# Altium PCB TTN_Gateway_V2.3.1.PcbDoc (part 2 of 3)
Units mm, origin at the board's own origin, x right, y up, seen from the top; angles counter-clockwise.
Board outline 133 x 122.84 mm, 4 copper layers (Component Side, Signal Layer 1, Signal Layer 3, Solder Side), stack 0.844 mm thick; 331 components, 261 nets, 1123 pads, 1128 vias.
Unrouted connection lines stored in the file: 8.
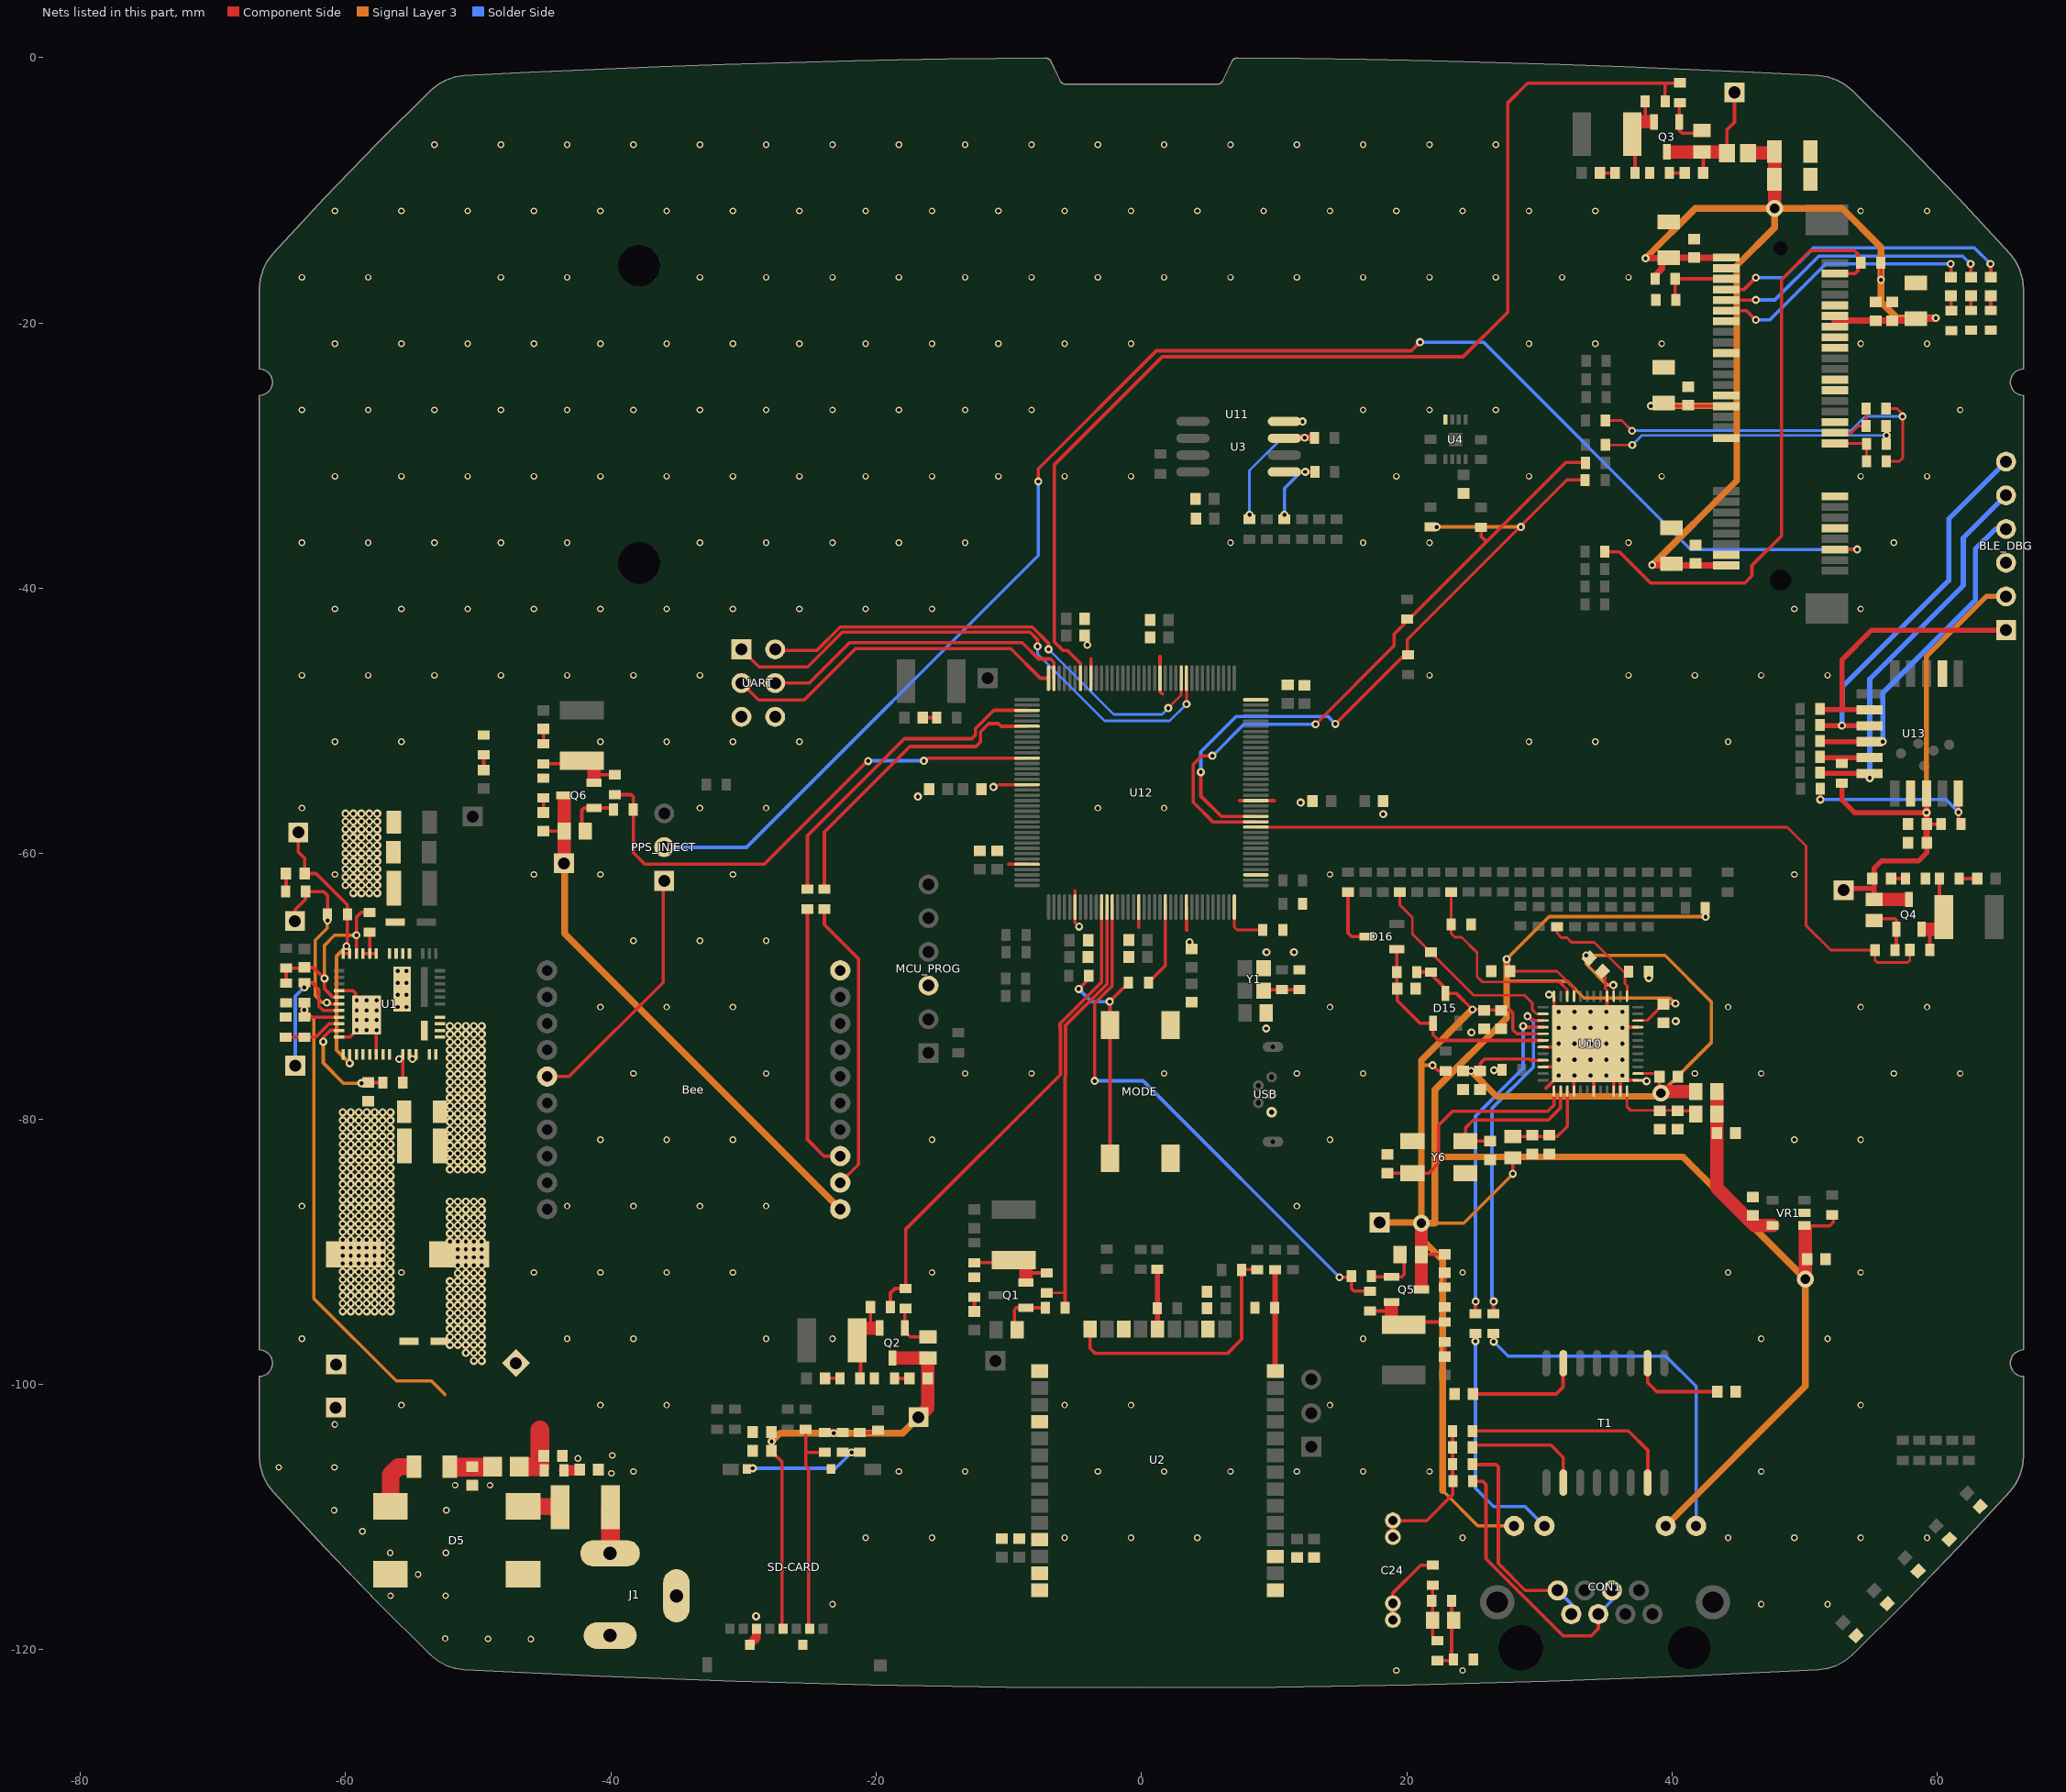
[diagram p4: the nets of this part, all layers, seen from the top]

## Via types
v1: diameter 0.61, hole 0.305, Component Side to Solder Side, tented both sides, 817 vias
v2: diameter 0.5, hole 0.3, Component Side to Solder Side, tented both sides, 272 vias
v3: diameter 0.66, hole 0.33, Component Side to Solder Side, tented top, 25 vias
v4: diameter 1.27, hole 0.711, Component Side to Solder Side, 12 vias
v5: diameter 6.1, hole 3.1, Component Side to Solder Side, 2 vias

## Nets (pads, with @x,y where several pads share a name; then routed paths per layer and width w, separated by ;. In a path a pad name is that pad's centre, name@x,y a point inside that pad or via, vN(x,y) a via of type N, cw(c..) or ccw(c..) an arc to the next point about the centre after c; other vN are vias at no path point) (continued)
BLE_CTS: BLE_DBG.5 R112.1 U13.11 | length 29.3
  Component Side w0.381: R112.1@51.15,-53.9 51.206,-53.956 U13.11@54.884,-53.956
  Solder Side w0.381: v1(54.9,-54.297) 54.9,-46.838 61.95,-39.788 61.95,-36.212 BLE_DBG.5@65.175,-32.987
BLE_RTS: BLE_DBG.4 R111.1 U13.9 | length 24.1
  Component Side w0.2: R111.1@51.15,-51.5 R111.1@51.206,-51.556
  Component Side w0.381: R111.1@51.206,-51.556 U13.9@54.884,-51.556
  Solder Side w0.381: v1(55.875,-51.547) 55.875,-47.897 62.862,-40.91 62.862,-37.035 64.37,-35.527 BLE_DBG.4@65.175,-35.527
BLE_RX: BLE_DBG.1 R107.1 U13.7 | length 20.8
  Component Side w0.2: R107.1@51.15,-49.1 R107.1@51.206,-49.156
  Component Side w0.381: R107.1@51.206,-49.156 52.825,-49.156 ; U13.7@54.884,-49.156 52.825,-49.156 ; BLE_DBG.1@65.175,-43.147 55.05,-43.147 52.825,-45.372 52.825,-49.156
BLE_TX: BLE_DBG.6 R108.1 U13.8 | length 28.8
  Component Side w0.2: R108.1@51.15,-50.3 R108.1@51.206,-50.356
  Component Side w0.381: R108.1@51.206,-50.356 U13.8@54.884,-50.356
  Solder Side w0.381: v1(52.8,-50.347) 52.8,-47.472 60.85,-39.422 60.85,-34.772 BLE_DBG.6@65.175,-30.447
BLE_VCC: BLE_DBG.2 BLE_ON.1 BLE_VCC_TP.1 C22.2 C44.2 C51.2 Q4.1 R40.2 R71.2 U13.14 | length 44.5
  Component Side w0.254: C22.2@55.1,-63.25 55.225,-63.375 C22.2@55.3,-63.45 ; C51.2@59.181,-59.156 C51.2@59.2,-59.174 ; C44.2@59.2,-57.774 R71.2@60.275,-57.775
  Component Side w0.381: 52.825,-55.075 52.825,-55.975 53.75,-56.9 v1@59.181,-56.9 ; BLE_VCC_TP.1@52.925,-62.75 53.05,-62.625 55.225,-62.625 ; C22.2@55.225,-63.45 55.225,-63.375 55.225,-62.625 ; C51.2@59.2,-59.174 59.2,-59.925 58.575,-60.55 55.775,-60.55 55.225,-61.1 55.225,-62.625
  Component Side w0.5: C51.2@59.181,-59.156 59.181,-56.9 U13.14@59.181,-55.466
  Component Side w1: C22.2@55.3,-63.45 57.525,-63.45
  Signal Layer 3 w0.381: v1(59.175,-56.897) 59.175,-45.122 63.69,-40.607 BLE_DBG.2@65.175,-40.607
C_GND: L5.2 R33.2 R45.2 R67.1 | length 5.7
  Component Side w0.254: R45.2@22.325,-120.822 23.425,-120.822 R67.1@23.525,-120.722 23.375,-120.572 R33.2@23.375,-116.322
DBG_RX1: U12.118 UART.1 | length 41.1
  Component Side w0.2: v1(3.4,-48.722) U12.118@3.4,-46.772
  Component Side w0.254: UART.1@-30.15,-44.597 -28.825,-45.922 -25.165,-45.922 -22.544,-43.301 -8.389,-43.301 -7.825,-43.865 v1(-7.825,-44.372)
  Solder Side w0.2: v1(-7.825,-44.372) -7.825,-44.947 -2.775,-49.997 2.125,-49.997 v1(3.4,-48.722)
DBG_RX2: U12.144 UART.3 | length 26.2
  Component Side w0.254: UART.3@-30.15,-47.137 -28.865,-48.422 -25.425,-48.422 -21.55,-44.547 -9.85,-44.547 -7.625,-46.772 U12.144@-7.05,-46.772
DBG_TX1: U12.119 UART.2 | length 36.2
  Component Side w0.2: v1(2.025,-49.022) 3,-48.047 U12.119@3,-46.772
  Component Side w0.254: UART.2@-27.61,-44.597 -27.535,-44.672 -24.451,-44.672 -22.701,-42.922 -8.232,-42.922 -7,-44.154 v1(-7,-44.597) v1@-7,-44.622
  Solder Side w0.2: v1(-7,-44.597) -2.1,-49.497 1.55,-49.497 v1(2.025,-49.022)
DBG_TX2: U12.143 UART.4 | length 24.1
  Component Side w0.254: UART.4@-27.61,-47.137 -25.04,-47.137 -21.996,-44.093 -8.979,-44.093 -7.75,-45.322 -6.85,-45.322 -6.6,-45.572 U12.143@-6.6,-46.772
ETH_VCC: C23.2 C62.2 C64.2 C66.2 C67.2 C70.2 CON1.10 CON1.12 D15.3 ETH_ON.1 Ethernet_VCC_TP.1 L2.1 Q5.1 R55.1 R136.2 R137.2 R138.2 R150.2 U10.22 U10.33 U10.41 VR1.1 | length 202.9
  Component Side w0.2: C64.2@27.525,-68.597 v1(27.525,-67.947) ; C64.2@27.775,-68.847 31.325,-68.847 32.6,-70.122 U10.33@32.6,-70.747 ; 29.675,-73.572 U10.41@30.275,-73.572 ; U10.22@37.425,-72.572 38.125,-72.572 39.4,-71.297 v1(40.25,-71.297)
  Component Side w0.254: R138.2@20.75,-68.922 21.675,-68.922 22.925,-70.172 D15.3@22.925,-70.522 23.725,-70.522 v1(24.95,-71.747) C66.2@26.175,-71.747 ; C23.2@21.1,-90.22 21.125,-90.195 ETH_ON.1@22.85,-90.195 ; v1(21.95,-75.947) 22.375,-76.372 R137.2@22.925,-76.372 ; C66.2@26.175,-71.772 27.775,-71.772 28,-71.997 28,-73.272 28.3,-73.572 29.675,-73.572 ; v1(28,-84.122) L2.1@28,-82.922 ; VR1.1@50.05,-88.277 50.28,-88.047 51.875,-88.047 52.15,-87.772 R136.2@52.15,-87.197
  Component Side w1: Q5.1@21.1,-92.62 C23.2@21.1,-90.22 v4(21.1,-87.847) ; v4(50.05,-92.072) VR1.1@50.05,-88.277
  Signal Layer 3 w0.254: v4@21.05,-87.797 v4(21.1,-87.847) ; 21.1,-75.947 v1(21.95,-75.947) ; 21.125,-80.172 21.125,-79.197 ; 22.125,-87.847 24.3,-87.847 v1@28,-84.147 ; 22.7,-107.997 25.37,-110.667 CON1.12@28.09,-110.667 ; v1@24.925,-71.747 v1(24.95,-71.747) ; 27.525,-69.622 32.1,-69.622 33.35,-70.872 39.825,-70.872 v1(40.25,-71.297) ; v1(27.525,-67.947) 30.725,-64.747 v1(42.525,-64.747)
  Signal Layer 3 w0.5: Ethernet_VCC_TP.1@17.95,-87.797 v4@21.05,-87.797 ; 22.15,-82.847 40.825,-82.847 v4(50.05,-92.072) 50.05,-100.137 CON1.10@39.52,-110.667 ; 22.7,-107.997 22.7,-90.622 21.1,-89.022 v4(21.1,-87.847) ; v1@24.925,-71.747 21.1,-75.572 21.1,-75.947 v4(21.1,-87.847) ; v1(27.525,-67.947) 27.525,-69.622 27.525,-72.397 22.125,-77.797 22.125,-87.847 v4(21.1,-87.847)
ETH_VCC_1.2V: C71.2 C72.2 L3.2 L4.2 VR1.5 | length 12.6
  Component Side w1: L4.2@43.375,-77.922 43.375,-85.197 46.2,-88.022 VR1.5@47.575,-88.022
GND: Bee.10 BLE_DBG.3 C1.1 C3.2 C4.1 C5.1 C6.1 C7.1 C8.1 C9.1 C10.1 C11.1 C12.1 C13.1 C14.1 C15.1 C16.1 C17.1 C18.1 C25.1 C26.1 C27.1 C28.1 C29.1 C30.1 C31.1 C33.1 C34.1 C35.1 C36.1 C37.1 C44.1 C51.1 C52.1 C53.1 C54.1 C55.1 C56.1 C57.1 C58.1 C59.1 C60.1 C61.1 C62.1 C63.1 C64.1 C65.1 C66.1 C67.1 C68.1 C69.1 C70.1 C71.1 C72.1 C73.1 C74.1 C75.1 C76.2 C77.2 C78.2 C79.2 C80.2 C81.2 C82.2 C83.2 C84.2 C85.2 C86.1 C87.1 C88.2 C89.2 C90.2 C91.2 C92.2 C93.2 D3.1 D4.1 D5.2 MCU_PROG.3 MODE.1 R5.2 R8.1 R11.1 R25.1 R26.1 R27.1 R28.1 R34.1 R42.1 R46.1 R56.1 R57.1 R59.1 R61.1 R63.1 R67.2 R70.1 R74.1 R139.1 R163.1 Rfb2.1 SD-CARD.GND STAT1.2 STAT2.2 STAT3.2 STAT4.2 STAT5.2 TP_GND2.1 TP_GND.1 U1.1 U1.6 U1.7 U1.8 U1.45 U1.52 U2.1 U2.3 U2.16 U2.21 U2.24 U2.27 U2.34 U2.36 U2.37 U3.4 U4.4 U10.4 U10.7 U10.10 U10.11 U10.13 U10.21 U10.28 U10.36 U10.43 U10.46 U10.49 U11.4 U11.9 U11.15 U11.18 U11.21 U11.26 U11.27 U11.29 U11.34 U11.35 U11.37 U11.40 U11.43 U11.50 U12.17 U12.32 U12.42 U12.54 U12.63 U12.75 U12.89 U12.108 U12.123 U12.136 U13.2 U13.13 UART.5 UART.6 USB.1 VR1.2 Y1.2 Y6.2 Y6.4 | length 49
  Component Side w0.2: C65.1@34.945,-69.067 34.945,-70.142 35.1,-70.297 U10.28@35.1,-70.747
  Component Side w0.254: U1.52@-60.475,-73.82 -59.67,-73.82 U1.45@-59.225,-73.375 ; U1.45@-60.475,-70.319 -59.43,-70.319 -59.225,-70.524 U1.45@-59.225,-71.175 ; U1.45@-58.402,-72.163 U1.45@-58.402,-71.147 ; U1.6@-57.675,-75.119 U1.45@-57.675,-73.324 ; -10.725,-54.797 U12.17@-8.625,-54.797 ; -10.025,-60.797 U12.32@-8.625,-60.797 ; -5,-65.197 U12.42@-5,-64.022 -5,-62.785 ; U12.136@-3.8,-46.772 -3.8,-45.293 ; -0.2,-65.547 U12.54@-0.2,-64.022 ; 1.4,-45.122 U12.123@1.4,-46.772 1.4,-47.783 1.58,-47.963 ; 3.4,-65.772 U12.63@3.4,-64.022 ; 7.388,-55.997 U12.89@8.625,-55.997 10.025,-55.997 ; U10.46@30.275,-76.072 U10.49@32.1,-76.072 ; U10.43@30.275,-74.572 33.6,-74.572 v3(33.85,-74.322) ; 30.5,-77.672 v3(31.45,-76.722) ; U10.49@31.1,-71.572 U10.36@31.1,-70.747 ; U10.4@32.6,-77.897 32.6,-76.772 v3(32.65,-76.722) ; v3(33.85,-76.722) 34.1,-76.972 U10.7@34.1,-77.897 ; C65.1@34.745,-68.867 C65.1@34.945,-69.067 ; U10.28@35.1,-70.747 35.1,-73.072 v3(35.05,-73.122) v3(33.85,-74.322) ; U10.10@35.6,-77.897 U10.49@35.6,-76.072 ; U10.11@36.1,-77.897 36.1,-76.872 v3(36.25,-76.722) ; U10.49@36.3,-73.072 U10.21@37.425,-73.072 ; U10.13@37.425,-77.072 36.6,-77.072 v3(36.25,-76.722) ; v3(33.85,-74.322) v3(35.05,-75.522) U10.49@35.6,-76.072 ; U10.49@35.6,-76.072 v3(36.25,-76.722)
  Component Side w0.65: -29.037,-119.097 SD-CARD.GND@-29.037,-118.397
  Component Side w0.7: SD-CARD.GND@-29.538,-119.597 -29.037,-119.097
  other v1: -29.05,-117.472 -60.2,-94.497 -59.6,-94.497 -59,-94.497 -58.4,-94.497 -57.8,-94.497 -57.2,-94.497 -56.6,-94.497 -60.2,-93.897 -59.6,-93.897 -59,-93.897 -58.4,-93.897 -57.8,-93.897 -57.2,-93.897 -56.6,-93.897 -60.2,-93.297 -59.6,-93.297 -59,-93.297 -58.4,-93.297 -57.8,-93.297 -57.2,-93.297 -56.6,-93.297 -60.2,-92.697 -59.6,-92.697 -59,-92.697 -58.4,-92.697 -57.8,-92.697 -57.2,-92.697 -56.6,-92.697 -60.2,-92.097 -59.6,-92.097 -59,-92.097 -58.4,-92.097 -57.8,-92.097 -57.2,-92.097 -56.6,-92.097 -60.2,-91.497 -59.6,-91.497 -59,-91.497 -58.4,-91.497 -57.8,-91.497 -57.2,-91.497 -56.6,-91.497 -60.2,-90.897 -59.6,-90.897 -59,-90.897 -58.4,-90.897 -57.8,-90.897 -57.2,-90.897 -56.6,-90.897 -60.2,-90.297 -59.6,-90.297 -59,-90.297 -58.4,-90.297 -57.8,-90.297 -57.2,-90.297 -56.6,-90.297 -60.2,-89.697 -59.6,-89.697 -59,-89.697 -58.4,-89.697 -57.8,-89.697 -57.2,-89.697 -56.6,-89.697 -60.2,-89.097 -59.6,-89.097 -59,-89.097 -58.4,-89.097 -57.8,-89.097 -57.2,-89.097 -56.6,-89.097 -60.2,-88.497 -59.6,-88.497 -59,-88.497 -58.4,-88.497 -57.8,-88.497 -57.2,-88.497 -56.6,-88.497 -60.2,-87.897 -59.6,-87.897 -59,-87.897 -58.4,-87.897 -57.8,-87.897 -57.2,-87.897 -56.6,-87.897 -60.2,-87.297 -59.6,-87.297 -59,-87.297 -58.4,-87.297 -57.8,-87.297 -57.2,-87.297 -56.6,-87.297 -60.2,-86.697 -59.6,-86.697 -59,-86.697 -58.4,-86.697 -57.8,-86.697 -57.2,-86.697 -56.6,-86.697 -60.2,-86.097 -59.6,-86.097 -59,-86.097 -58.4,-86.097 -57.8,-86.097 -57.2,-86.097 -56.6,-86.097 -60.2,-85.497 -59.6,-85.497 -59,-85.497 -58.4,-85.497 -57.8,-85.497 -57.2,-85.497 -56.6,-85.497 -60.2,-84.897 -59.6,-84.897 -59,-84.897 -58.4,-84.897 -57.8,-84.897 -57.2,-84.897 -56.6,-84.897 -60.2,-84.297 -59.6,-84.297 -59,-84.297 -58.4,-84.297 -57.8,-84.297 -57.2,-84.297 -56.6,-84.297 -60.2,-83.697 -59.6,-83.697 -59,-83.697 -58.4,-83.697 -57.8,-83.697 -57.2,-83.697 -56.6,-83.697 -60.2,-83.097 -59.6,-83.097 -59,-83.097 -58.4,-83.097 -57.8,-83.097 -57.2,-83.097 -56.6,-83.097 -60.2,-82.497 -59.6,-82.497 -59,-82.497 -58.4,-82.497 -57.8,-82.497 -57.2,-82.497 -56.6,-82.497 -60.2,-81.897 -59.6,-81.897 -59,-81.897 -58.4,-81.897 -57.8,-81.897 -57.2,-81.897 -56.6,-81.897 -60.2,-81.297 -59.6,-81.297 -59,-81.297 -58.4,-81.297 -57.8,-81.297 -57.2,-81.297 -56.6,-81.297 -60.2,-80.697 -59.6,-80.697 -59,-80.697 -58.4,-80.697 -57.8,-80.697 -57.2,-80.697 -56.6,-80.697 -60.2,-80.097 -59.6,-80.097 -59,-80.097 -58.4,-80.097 -57.8,-80.097 -57.2,-80.097 -56.6,-80.097 -60.2,-79.497 -59.6,-79.497 -59,-79.497 -58.4,-79.497 -57.8,-79.497 -57.2,-79.497 -56.6,-79.497 38.075,-77.147 26.575,-76.322 24.875,-73.472 -59.15,-73.3 -58.4,-73.3 -57.65,-73.3 9.4,-73.175 40.275,-72.622 -59.15,-72.55 -58.4,-72.55 -57.65,-72.55 -59.15,-71.8 -58.4,-71.8 -57.65,-71.8 -59.15,-71.05 -58.4,-71.05 -57.65,-71.05 30.725,-70.622 38.25,-69.372 9.425,-67.425 11.5,-67.425 3.625,-66.672 -4.7,-65.497 -59.4,-62.972 -58.8,-62.972 -58.2,-62.972 -57.6,-62.972 -60,-62.372 -59.4,-62.372 -58.8,-62.372 -58.2,-62.372 -57.6,-62.372 -60,-61.772 -59.4,-61.772 -58.8,-61.772 -58.2,-61.772 -57.6,-61.772 -60,-61.172 -59.4,-61.172 -58.8,-61.172 -58.2,-61.172 -57.6,-61.172 -60,-60.572 -59.4,-60.572 -58.8,-60.572 -58.2,-60.572 -57.6,-60.572 -60,-59.972 -59.4,-59.972 -58.8,-59.972 -58.2,-59.972 -57.6,-59.972 -60,-59.372 -59.4,-59.372 -58.8,-59.372 -58.2,-59.372 -57.6,-59.372 -60,-58.772 -59.4,-58.772 -58.8,-58.772 -58.2,-58.772 -57.6,-58.772 -60,-58.172 -59.4,-58.172 -58.8,-58.172 -58.2,-58.172 -57.6,-58.172 -60,-57.572 -59.4,-57.572 -58.8,-57.572 -58.2,-57.572 -57.6,-57.572 18.225,-57.022 -60,-56.972 -59.4,-56.972 -58.8,-56.972 -58.2,-56.972 -57.6,-56.972 12,-56.147 -16.85,-55.697 -11.15,-54.972 -4.075,-44.272 12.15,-27.422
  other v2: 19.215,-121.559 24.215,-121.559 -46.025,-119.2 -49.25,-119.175 -52.475,-119.15 -23.285,-116.559 46.715,-116.559 51.715,-116.559 -56.6,-115.925 -52.45,-115.925 -54.525,-114.325 -56.625,-112.7 -52.425,-112.7 -20.785,-111.559 -15.785,-111.559 -5.785,-111.559 -0.785,-111.559 4.215,-111.559 24.215,-111.559 44.215,-111.559 49.215,-111.559 54.215,-111.559 59.215,-111.559 -58.725,-111.075 -60.85,-109.475 -52.4,-109.475 -51.725,-107.6 -49.1,-107.6 -39.95,-106.7 -38.285,-106.559 -18.285,-106.559 -13.285,-106.559 -3.285,-106.559 1.715,-106.559 6.715,-106.559 11.715,-106.559 16.715,-106.559 21.715,-106.559 46.715,-106.559 -65.025,-106.25 -60.825,-106.25 -42.475,-105.575 -39.875,-105.35 -60.8,-103.025 -55.785,-101.559 -40.785,-101.559 -35.785,-101.559 -5.785,-101.559 -0.785,-101.559 14.215,-101.559 54.215,-101.559 -63.285,-96.559 -43.285,-96.559 -38.285,-96.559 -28.285,-96.559 -23.285,-96.559 16.715,-96.559 46.715,-96.559 51.715,-96.559 -55.785,-91.559 -45.785,-91.559 -40.785,-91.559 -35.785,-91.559 -30.785,-91.559 -15.785,-91.559 24.215,-91.559 44.215,-91.559 54.215,-91.559 -63.285,-86.559 -43.285,-86.559 -38.285,-86.559 -33.285,-86.559 -28.285,-86.559 11.715,-86.559 -40.785,-81.559 -35.785,-81.559 -30.785,-81.559 -15.785,-81.559 14.215,-81.559 49.215,-81.559 54.215,-81.559 -38.285,-76.559 -28.285,-76.559 -13.285,-76.559 -8.285,-76.559 1.715,-76.559 11.715,-76.559 16.715,-76.559 41.715,-76.559 46.715,-76.559 56.715,-76.559 61.715,-76.559 -40.785,-71.559 -35.785,-71.559 -30.785,-71.559 14.215,-71.559 44.215,-71.559 54.215,-71.559 59.215,-71.559 -38.285,-66.559 -33.285,-66.559 -28.285,-66.559 -60.785,-61.559 -45.785,-61.559 -40.785,-61.559 -30.785,-61.559 14.215,-61.559 49.215,-61.559 -63.285,-56.559 -33.285,-56.559 -28.285,-56.559 -3.285,-56.559 1.715,-56.559 -60.785,-51.559 -55.785,-51.559 -40.785,-51.559 -35.785,-51.559 -30.785,-51.559 -25.785,-51.559 29.215,-51.559 34.215,-51.559 44.215,-51.559 -63.285,-46.559 -58.285,-46.559 -53.285,-46.559 -48.285,-46.559 -43.285,-46.559 -38.285,-46.559 -33.285,-46.559 21.715,-46.559 36.715,-46.559 41.715,-46.559 46.715,-46.559 51.715,-46.559 -60.785,-41.559 -55.785,-41.559 -50.785,-41.559 -45.785,-41.559 -40.785,-41.559 -35.785,-41.559 -30.785,-41.559 -25.785,-41.559 -20.785,-41.559 -15.785,-41.559 49.215,-41.559 54.215,-41.559 -63.285,-36.559 -58.285,-36.559 -53.285,-36.559 -48.285,-36.559 -43.285,-36.559 -33.285,-36.559 -28.285,-36.559 -23.285,-36.559 -18.285,-36.559 -13.285,-36.559 6.715,-36.559 16.715,-36.559 21.715,-36.559 36.715,-36.559 56.715,-36.559 -60.785,-31.559 -55.785,-31.559 -50.785,-31.559 -45.785,-31.559 -40.785,-31.559 -35.785,-31.559 -30.785,-31.559 -25.785,-31.559 -20.785,-31.559 -15.785,-31.559 -10.785,-31.559 -5.785,-31.559 -0.785,-31.559 19.215,-31.559 29.215,-31.559 39.215,-31.559 54.215,-31.559 59.215,-31.559 -63.285,-26.559 -58.285,-26.559 -53.285,-26.559 -48.285,-26.559 -43.285,-26.559 -38.285,-26.559 -33.285,-26.559 -28.285,-26.559 -23.285,-26.559 -18.285,-26.559 -13.285,-26.559 -8.285,-26.559 16.715,-26.559 21.715,-26.559 26.715,-26.559 61.715,-26.559 -60.785,-21.559 -55.785,-21.559 -50.785,-21.559 -45.785,-21.559 -40.785,-21.559 -35.785,-21.559 -30.785,-21.559 -25.785,-21.559 -20.785,-21.559 -15.785,-21.559 -10.785,-21.559 -5.785,-21.559 -0.785,-21.559 29.215,-21.559 34.215,-21.559 39.215,-21.559 54.215,-21.559 59.215,-21.559 -63.285,-16.559 -58.285,-16.559 -48.285,-16.559 -43.285,-16.559 -33.285,-16.559 -28.285,-16.559 -23.285,-16.559 -18.285,-16.559 -13.285,-16.559 -8.285,-16.559 -3.285,-16.559 1.715,-16.559 6.715,-16.559 11.715,-16.559 16.715,-16.559 21.715,-16.559 26.715,-16.559 31.715,-16.559 36.715,-16.559 -60.785,-11.559 -55.785,-11.559 -50.785,-11.559 -45.785,-11.559 -40.785,-11.559 -35.785,-11.559 -30.785,-11.559 -25.785,-11.559 -20.785,-11.559 -15.785,-11.559 -10.785,-11.559 -5.785,-11.559 -0.785,-11.559 4.215,-11.559 9.215,-11.559 14.215,-11.559 19.215,-11.559 24.215,-11.559 29.215,-11.559 34.215,-11.559 54.215,-11.559 59.215,-11.559 -53.285,-6.559 -48.285,-6.559 -43.285,-6.559 -38.285,-6.559 -33.285,-6.559 -28.285,-6.559 -23.285,-6.559 -18.285,-6.559 -13.285,-6.559 -8.285,-6.559 -3.285,-6.559 1.715,-6.559 6.715,-6.559 11.715,-6.559 16.715,-6.559 21.715,-6.559 26.715,-6.559
  other v3: 35.05,-76.722 31.45,-75.522 32.65,-75.522 33.85,-75.522 36.25,-75.522 31.45,-74.322 32.65,-74.322 35.05,-74.322 36.25,-74.322 31.45,-73.122 32.65,-73.122 33.85,-73.122 36.25,-73.122 31.45,-71.922 32.65,-71.922 33.85,-71.922 35.05,-71.922 36.25,-71.922
GPS_PPS_OUTPUT: Bee.15 PPS_INJECT.1 | length 19.3
  Component Side w0.254: Bee.15@-44.798,-76.795 -43.15,-76.795 -36.05,-69.695 PPS_INJECT.1@-36.05,-62.047
LED0: R140.1 U10.39 | length 25.3
  Component Side w0.254: R140.1@26.525,-94.672 26.525,-93.772 v1(26.55,-93.747) ; v1@29.1,-72.197 29.152,-72.197 29.527,-72.572 U10.39@30.275,-72.572
  Solder Side w0.254: v1(26.55,-93.747) 26.425,-93.622 26.425,-79.197 29.55,-76.072 29.55,-72.697 v1(29.1,-72.247)
LED1: R141.1 U10.40 | length 24.7
  Component Side w0.254: R141.1@25.175,-94.672 25.175,-93.772 v1(25.2,-93.747) ; v1@28.775,-73.072 U10.40@30.275,-73.072
  Solder Side w0.254: v1@25.175,-93.747 25.175,-79.772 28.775,-76.172 v1(28.775,-72.997)
LORA_PPS_INPUT: PPS_INJECT.2 U11.5 | length 117.8
  Component Side w0.254: v1(-7.777,-31.947) -7.777,-30.999 1.125,-22.097 20.35,-22.097 v1(21,-21.447) ; U11.5@52.275,-37.072 v1(53.95,-37.072)
  Solder Side w0.254: PPS_INJECT.2@-36.05,-59.522 -29.777,-59.522 -7.777,-37.522 v1(-7.777,-31.947) v1@-7.777,-31.871 ; v1(21,-21.447) 25.775,-21.447 41.4,-37.072 v1(53.95,-37.072)
LORA_VCC: C27.2 C28.2 C29.2 C30.2 C31.2 C52.2 C53.2 C54.2 C55.2 C56.2 C57.2 L1.2 R43.2 R66.1 U11.2 U11.24 U11.39 U11.41 U11.52 | length 99.7
  Component Side w0.254: C30.2@39.375,-26.047 39.6,-26.272 U11.24@44.075,-26.272 ; C31.2@39.625,-38.572 C31.2@39.925,-38.272 ; C52.2@47.598,-7.2 C52.2@47.725,-7.072 ; R43.2@55.725,-15.472 55.75,-15.497 v1(55.75,-16.747)